# Altium PCB 2-quilter-output.pcbdoc (part 13 of 17) (continued)
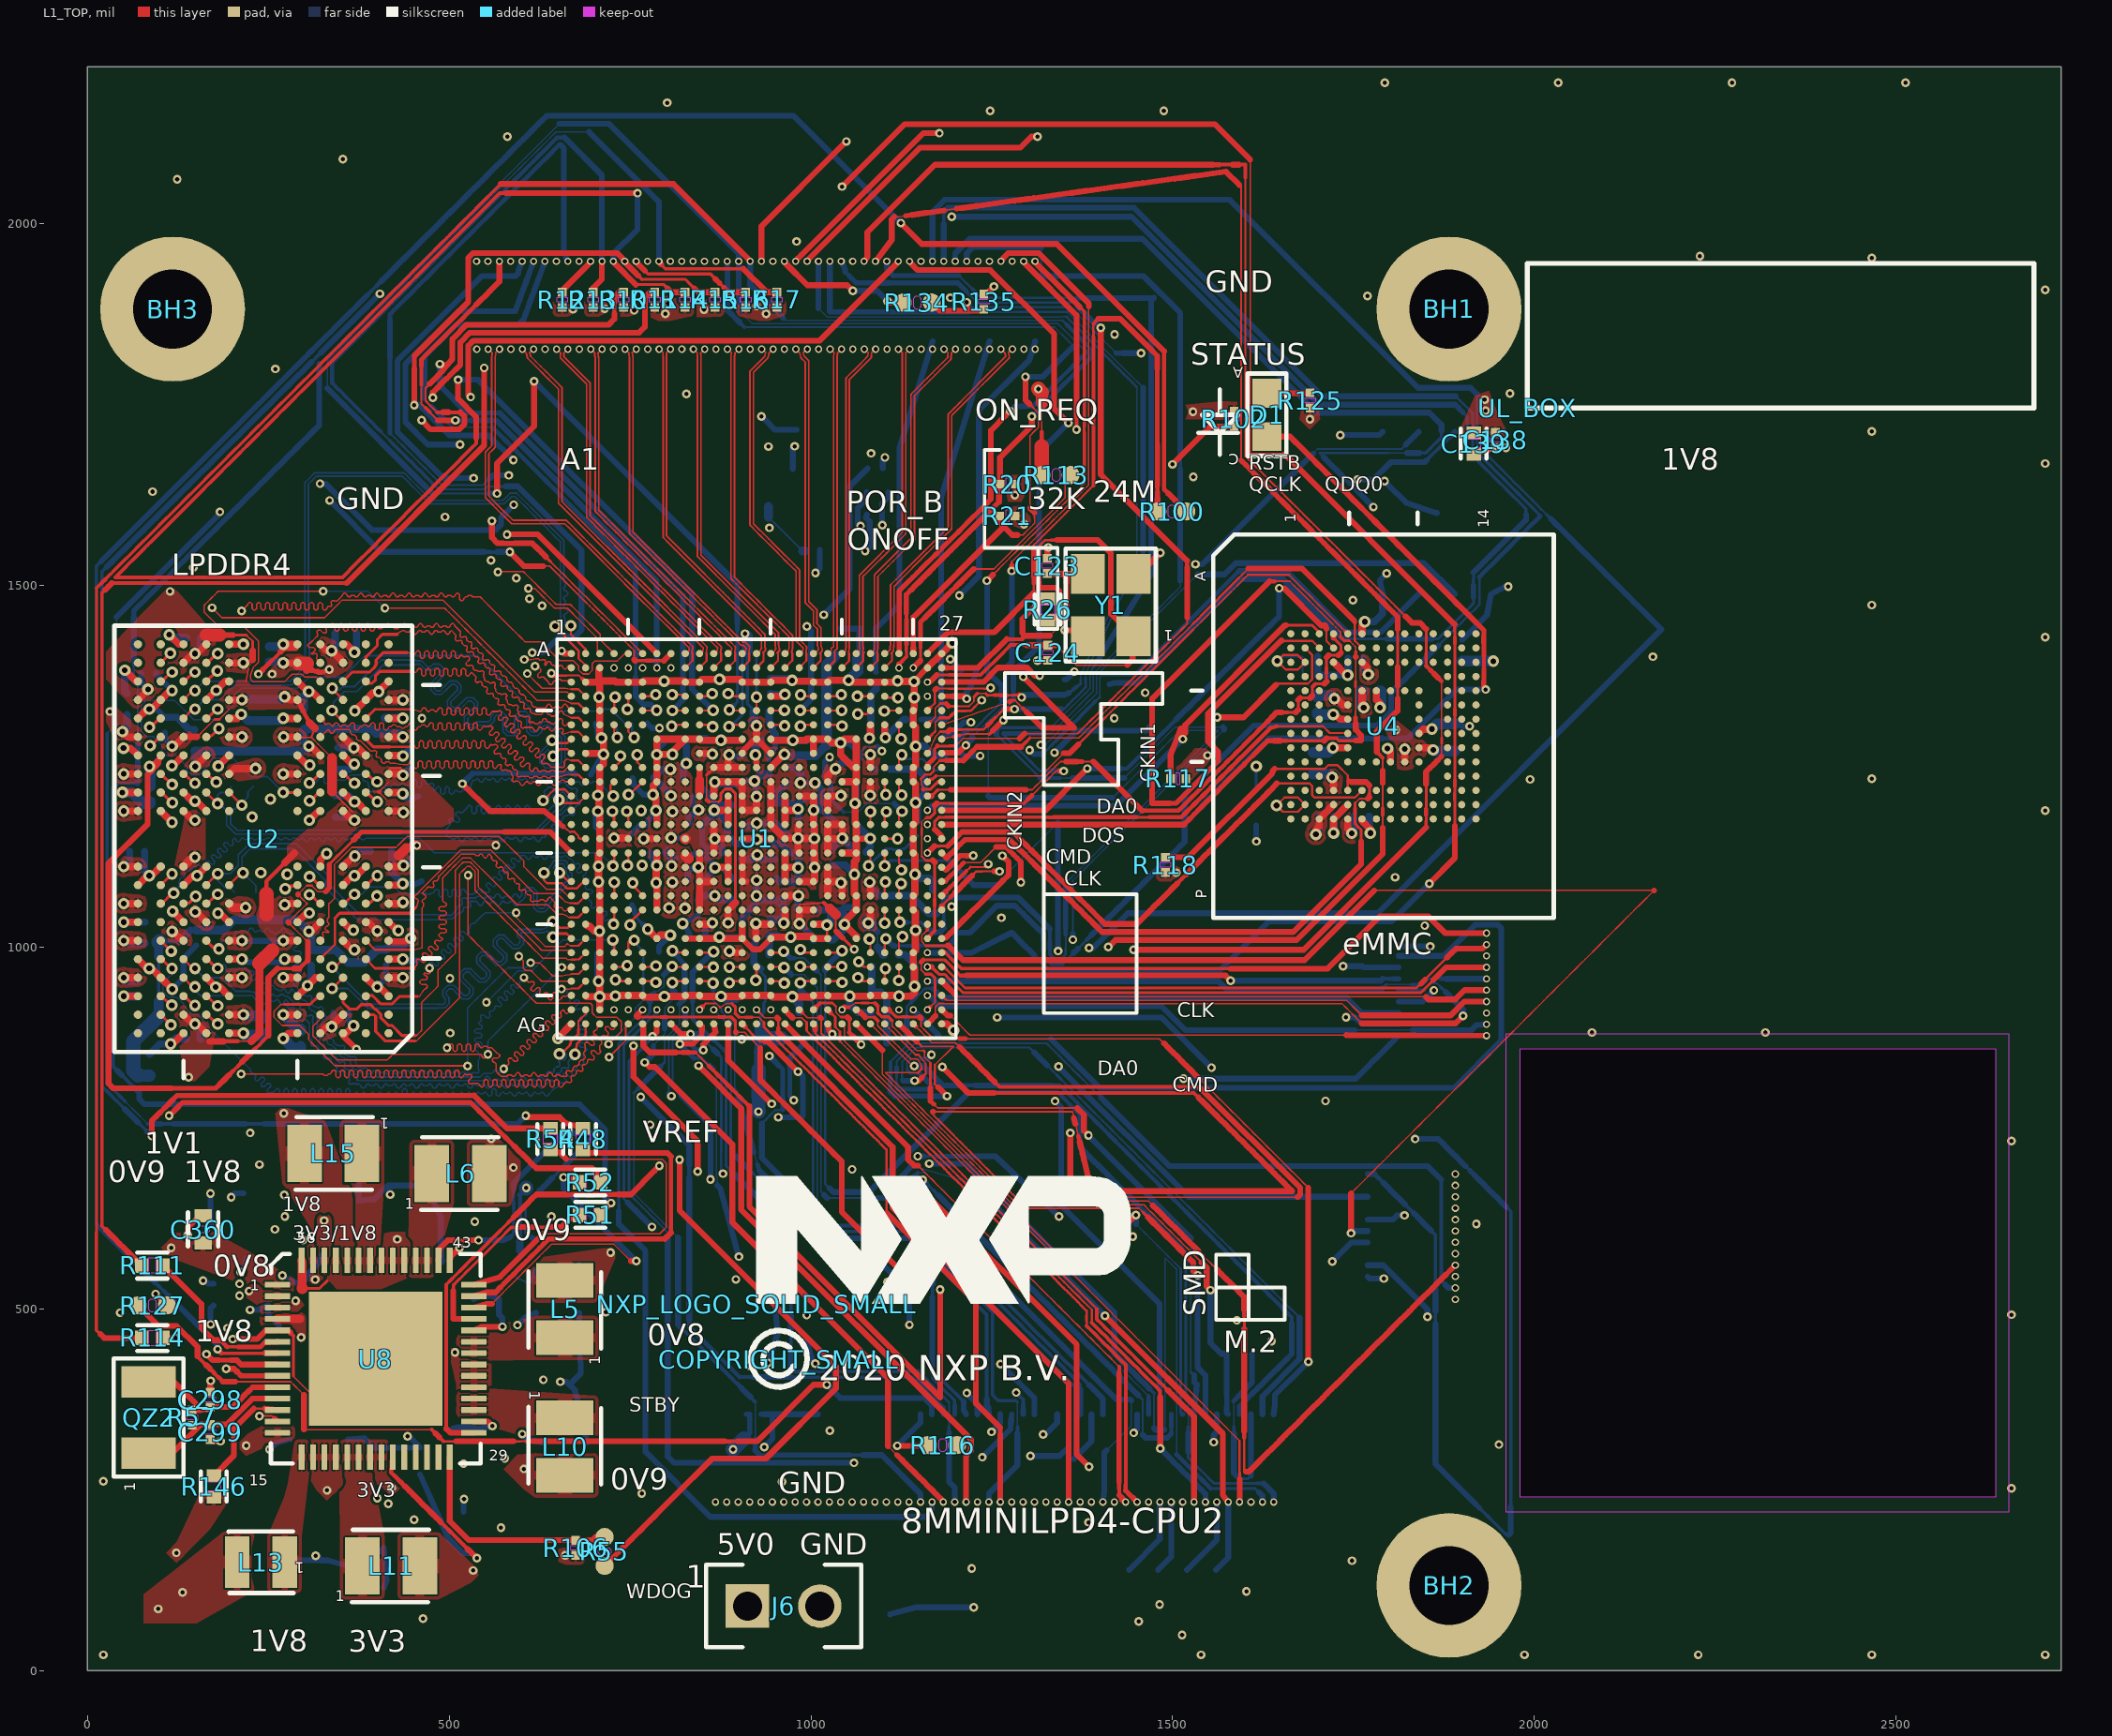
[diagram p0: L1_TOP view]
## Nets (pads, with @x,y where several pads share a name; then routed paths per layer and width w, separated by ;. In a path a pad name is that pad's centre, name@x,y a point inside that pad or via, vN(x,y) a via of type N, cw(c..) or ccw(c..) an arc to the next point about the centre after c; other vN are vias at no path point) (continued)
  L8_BOT w7.46: 1167.87,412.97 1167.87,421.59 1167.87,430.21 1167.87,438.83 1167.87,447.44 1167.87,456.06 1167.87,464.68 1167.87,473.3 1167.87,481.92 1167.87,490.53 1167.87,499.15 1167.87,507.77 1167.87,516.39
  L8_BOT w8.05: 1167.87,533.62 1168.8,534.56 v1(1168.8,550.77)
SAI5_MCLK: J5.77 U1.AD15 | length 882.2
  L1_TOP w3: U1.AD15@944.57,953.05 960.29,953.05 963.01,950.33 v2(963.23,950.33)
  L3_INNER1 w2: 974.91,961.99 982.64,961.99 990.38,961.99 996.1,956.27 1001.82,950.55 1007.54,944.83 1013.27,939.11 1018.99,933.38 1024.71,927.66 1024.71,918.89 1024.71,910.12 1024.71,901.35
  L3_INNER1 w5.71: 1041.07,775.17 1041.07,783.61 1041.07,792.06 1041.07,800.51 ; 1041.07,876.54 1041.07,884.98
  L3_INNER1 w6.29: 1024.71,901.35 1030.16,895.89 ; 1035.62,890.44 1041.07,884.98 ; 1041.07,800.51 1041.07,808.96 1041.07,817.4 1041.07,825.85 1041.07,834.3 1041.07,842.75 1041.07,851.19 1041.07,859.64 1041.07,868.09 1041.07,876.54
  L3_INNER1 w6.88: 1030.16,895.89 1035.62,890.44
  L3_INNER1 w8.05: v2(963.23,950.33) 974.91,961.99 ; 1041.07,775.17 1108.19,708.05 1130.56,685.67 v1(1137.99,678.24)
  L8_BOT w2: 1153.2,688.04 1158.32,688.04 1164.61,681.75 1170.9,675.46 1177.19,669.17 1183.48,662.88 1189.77,656.59 1196.06,650.31 1202.35,644.02 1208.63,637.73 1214.92,631.44 1221.21,625.15 1227.5,618.86 1233.79,612.57 1240.08,606.28 1246.37,599.99 1252.66,593.71 1258.95,587.42 1265.23,581.13 1271.52,574.84 1277.81,568.55 1284.1,562.26 1290.39,555.97 1296.68,549.68 1302.97,543.4 1309.26,537.11 1315.54,530.82 1321.83,524.53 1328.12,518.24 1334.41,511.95 1340.7,505.66 1346.99,499.37 1353.28,493.08 1359.57,486.8 1365.86,480.51 1372.14,474.22 1378.43,467.93 1384.72,461.64 1391.01,455.35 1397.3,449.06 1403.59,442.77 1409.88,436.49 1416.17,430.2 1422.45,423.91 1428.74,417.62 1435.03,411.33 1441.32,405.04 1447.61,398.75 1453.9,392.46 1460.19,386.17 1466.48,379.89
  L8_BOT w2.2: 1147.83,688.04 1153.2,688.04
  L8_BOT w5.71: 1466.48,371.43 1466.48,379.89
  L8_BOT w6.29: 1142.93,683.14 1147.83,688.04
  L8_BOT w6.88: J5.77@1466.49,354.53 1466.48,362.98 1466.48,371.43
  L8_BOT w8.05: v1(1137.99,678.24) 1142.93,683.14
SAI5_RXFS: J5.70 U1.AB15 | length 1087.7
  L1_TOP w3: U1.AB15@944.57,992.42 960.78,992.42 v2@962.08,993.72
  L1_TOP w3.3: v2@962.08,993.72 v2(962.49,994.13)
  L8_BOT w2: 1408.61,304.68 1411.72,307.8 1417.95,314.03 1424.18,320.26 1430.41,326.49 1436.65,332.72 1442.88,338.95
  L8_BOT w2.2: 977.9,985.06 984.24,985.06 990.58,985.06 ; 1013.91,961.73 1013.91,952.92 1013.91,944.11 1013.91,935.3 1013.91,926.49 1013.91,917.68 1013.91,908.87 1013.91,900.06 1013.91,891.25 1013.91,882.44 1013.91,873.63 1013.91,864.82 1013.91,856.01 1013.91,847.2 1013.91,838.39 1013.91,829.58 1013.91,820.78 1013.91,811.97 1013.91,803.16 1013.91,794.35 1013.91,785.54 1013.91,776.73 1013.91,767.92 1013.91,759.11 1013.91,750.3 1013.91,741.49 1013.91,732.68 1013.91,723.87 1013.91,715.06 1013.91,706.25 1013.91,697.44 1013.91,688.63 1013.91,679.82 1013.91,671.01 1013.91,662.2 1013.91,662.06 1018.24,657.72 ; 1022.58,653.39 1031.26,653.39 1039.93,653.39 1048.6,653.39 1057.27,653.39 1065.94,653.39 1074.61,653.39 1083.28,653.39 ; 1126.63,653.39 1135.3,653.39 1143.97,653.39 ; 1442.88,338.95 1442.88,347.68 1442.88,356.4 1442.88,365.13 1442.88,373.85
  L8_BOT w2.79: 990.58,985.06 996.41,979.23 1002.24,973.39 ; 1008.08,967.56 1013.91,961.73 ; 1083.28,653.39 1091.95,653.39
  L8_BOT w5.71: 971.56,985.06 977.9,985.06
  L8_BOT w8.05: v2(962.49,994.13) 971.56,985.06 ; 1002.24,973.39 1008.08,967.56 ; 1018.24,657.72 1022.58,653.39 ; 1091.95,653.39 1100.62,653.39 1109.29,653.39 1117.96,653.39 1126.63,653.39 ; 1143.97,653.39 1422.25,375.1 1441.62,375.1 1442.88,373.85 ; v3(1403.5,233.27) 1405.48,247.28 1405.48,301.57 1408.6,304.68
SD1_CLK: J8.22 U1.V26
SD1_CMD: J8.18 U1.V27 | length 1579.3
  L1_TOP w2.79: 1220.61,1110.97 1227.57,1110.97 1234.53,1110.97 v1@1241.49,1110.97
  L1_TOP w3.37: 1214.93,1105.28 1220.61,1110.97
  L1_TOP w3.96: v1@1241.49,1110.97 v1(1245.3,1114.77)
  L1_TOP w5.71: 1186.49,1076.85 1192.18,1082.53 1197.87,1088.22 1203.55,1093.91 1209.24,1099.59 1214.93,1105.28
  L1_TOP w8.05: U1.V27@1180.8,1071.16 1186.49,1076.85
  L3_INNER1 w2.2: 1254.26,1114.77 1263.22,1114.77 1272.18,1114.77 1281.14,1114.77 1290.1,1114.77 1299.06,1114.77
  L3_INNER1 w2.79: 1299.06,1114.77 1308.02,1114.77
  L3_INNER1 w6.29: v1(1245.3,1114.77) 1254.26,1114.77 ; 1496.17,1114.77 1505.13,1114.77 1514.09,1114.77
  L3_INNER1 w8.05: 1308.02,1114.77 1316.97,1114.77 1325.93,1114.77 1334.89,1114.77 1343.85,1114.77 1352.81,1114.77 1361.77,1114.77 1370.73,1114.77 1379.69,1114.77 1388.65,1114.77 1397.61,1114.77 1406.57,1114.77 1415.53,1114.77 1424.49,1114.77 1433.45,1114.77 1442.41,1114.77 1451.37,1114.77 1460.33,1114.77 1469.29,1114.77 1478.25,1114.77 1487.21,1114.77 1496.17,1114.77 ; 1514.09,1114.77 1523.05,1114.77 1532.01,1114.77 1540.97,1114.77 1549.93,1114.77 1558.88,1114.77 1567.84,1114.77 1576.8,1114.77 1585.76,1114.77 1594.72,1114.77 1603.68,1114.77 1612.64,1114.77 1621.6,1114.77 1630.56,1114.77 1639.52,1114.77 1648.48,1114.77 1657.44,1114.77 1666.4,1114.77 1675.36,1114.77 1684.32,1114.77 1693.28,1114.77 1702.24,1114.77 1711.2,1114.77 1720.16,1114.77 1729.12,1114.77 1738.08,1114.77 1747.04,1114.77 1756,1114.77 1764.96,1114.77 1773.92,1114.77 1782.88,1114.77 1791.84,1114.77 1800.79,1114.77 1809.75,1114.77 1818.71,1114.77 1827.67,1114.77 1836.63,1114.77 1845.59,1114.77 1854.55,1114.77 1954.34,1014.98 1954.34,489.3 v1(1851.94,489.28)
  L8_BOT w8.05: J8.18@1769.37,560.63 1791.04,560.63 1851.94,499.73 v1(1851.94,489.28)
SD1_DATA0: J8.8 U1.Y27
SD1_DATA1: J8.12 U1.Y26 | length 1761
  L1_TOP w2: 1153.01,1007.91 1153.01,1009.41 1153.01,1015.77 1157.05,1019.82 1161.1,1023.86 ; 1746.43,659.74 1752.78,666.09 1759.12,672.43 1765.46,678.77 1771.81,685.12 1778.15,691.46 1784.5,697.8 1790.84,704.15 1797.18,710.49 1803.53,716.84 1809.87,723.18 1816.21,729.52 1822.56,735.87 1828.9,742.21 1835.25,748.55 1841.59,754.9 1847.93,761.24 1854.28,767.59 1860.62,773.93 1866.96,780.27 1873.31,786.62 1879.65,792.96 1886,799.3 1892.34,805.65 1898.68,811.99 1905.03,818.34 1911.37,824.68 1917.71,831.02 1924.06,837.37 1930.4,843.71 1936.75,850.05 1943.09,856.4 1949.43,862.74 1955.78,869.09 1962.12,875.43 1968.47,881.77 1974.81,888.12 1981.15,894.46 1987.5,900.8 1993.84,907.15 2000.18,913.49 2006.53,919.84 2012.87,926.18 2019.22,932.52 2025.56,938.87 2031.9,945.21 2038.25,951.56 2044.59,957.9 2050.93,964.24 2057.28,970.59 2063.62,976.93 2069.97,983.27 2076.31,989.62 2082.65,995.96 2089,1002.31 2095.34,1008.65 2101.68,1014.99 2108.03,1021.34 2114.37,1027.68 2120.72,1034.02 2127.06,1040.37 2133.4,1046.71 2139.75,1053.06 2146.09,1059.4 2152.43,1065.74 2158.78,1072.09 2165.12,1078.43 2156.13,1078.44 2147.14,1078.44 2138.16,1078.44 2129.17,1078.44 2120.18,1078.44 2111.2,1078.44 2102.21,1078.44 2093.22,1078.44 2084.23,1078.44 2075.25,1078.44 2066.26,1078.44 2057.27,1078.44 2048.29,1078.44 2039.3,1078.44 2030.31,1078.44 2021.32,1078.44 2012.34,1078.44 2003.35,1078.44 1994.36,1078.44 1985.38,1078.44 1976.39,1078.44 1967.4,1078.44 1958.41,1078.44 1949.43,1078.44 1940.44,1078.44 1931.45,1078.44 1922.46,1078.44 1913.48,1078.44 1904.49,1078.44 1895.5,1078.44 1886.52,1078.44 1877.53,1078.44 1868.54,1078.44 1859.55,1078.44 1850.57,1078.44 1841.58,1078.44 1832.59,1078.44 1823.61,1078.44 1814.62,1078.44 1805.63,1078.44 1796.64,1078.44 1787.66,1078.44 1778.67,1078.44
  L1_TOP w2.2: 1153.01,1007.91 1158.75,1002.16
  L1_TOP w3.96: 1158.75,1002.16 1162.71,1002.16 1171.53,1002.16 1180.34,1002.16 1189.16,1002.16
  L1_TOP w4.54: 1161.1,1023.86 U1.Y26@1161.11,1031.79
  L1_TOP w8.05: 1189.18,1002.16 1190.37,1002.16 1210.32,982.2 1682.43,982.2 1778.67,1078.44 ; v1(1746.43,604.89) 1746.43,613.93 1746.43,659.74
  L8_BOT w8.05: v1(1746.43,604.89) 1749.39,607.85 J8.12@1769.37,607.87
SD1_DATA2: J8.14 U1.T27 | length 3145.6
  L1_TOP w6.88: 1206.39,1126.48 1214.21,1126.48
  L1_TOP w8.05: U1.T27@1180.8,1110.53 1186.63,1106.72 1206.39,1126.48 ; 1214.21,1126.48 v1(1224.58,1126.48)
  L3_INNER1 w2: 1720.64,103.88 1726.92,110.16 1733.2,116.43 1739.47,122.71 1745.75,128.99 1752.02,135.26 1758.3,141.54 1764.58,147.81 1770.85,154.09 1777.13,160.37 1783.4,166.64 1789.68,172.92 1795.96,179.19 1802.23,185.47 1808.51,191.75 1814.78,198.02 1821.06,204.3 1827.34,210.57 1833.61,216.85 1839.89,223.13 1846.17,229.4 1852.44,235.68 1858.72,241.95 1864.99,248.23 1871.27,254.51 1877.55,260.78 1883.82,267.06 1890.1,273.34 1896.37,279.61 1902.65,285.89 1908.93,292.16 1915.2,298.44 1921.48,304.72 1927.75,310.99 1934.03,317.27 1940.31,323.54 1946.58,329.82 1952.86,336.1 1959.13,342.37 1965.41,348.65
  L3_INNER1 w6.29: v1(1224.58,1126.48) 1230.23,1132.13 1235.89,1137.79 1241.54,1143.44 1247.2,1149.1 1256.05,1149.1 1264.91,1149.1 1273.76,1149.1 1282.61,1149.1 1291.47,1149.1 1300.32,1149.1 1309.18,1149.1 1318.03,1149.1 1326.89,1149.1 1335.74,1149.1 1344.59,1149.1 1353.45,1149.1 1362.3,1149.1 1371.16,1149.1 1380.01,1149.1 1388.87,1149.1 1397.72,1149.1 1406.57,1149.1 1415.43,1149.1 1424.28,1149.1 1433.14,1149.1 1441.99,1149.1 1450.85,1149.1 1459.7,1149.1 1468.55,1149.1 1477.41,1149.1 1486.26,1149.1 1495.12,1149.1 1501.4,1155.38 ; 1601.98,1255.96 1608.26,1262.24 1614.55,1268.53
  L3_INNER1 w6.88: 1595.69,1249.67 1601.98,1255.96
  L3_INNER1 w8.05: 1501.4,1155.38 1507.69,1161.67 1513.97,1167.96 1520.26,1174.24 1526.55,1180.53 1532.83,1186.81 1539.12,1193.1 1545.4,1199.39 1551.69,1205.67 1557.97,1211.96 1564.26,1218.24 1570.55,1224.53 1576.83,1230.81 1583.12,1237.1 1589.4,1243.39 1595.69,1249.67 ; 1614.55,1268.53 1620.83,1274.81 1627.12,1281.1 1633.4,1287.39 1639.69,1293.67 1645.98,1299.96 1652.26,1306.24 1658.55,1312.53 1664.83,1318.81 1671.12,1325.1 1677.4,1331.39 1683.69,1337.67 1689.98,1343.96 1696.27,1350.25 1696.27,1545.02 1772.08,1620.84 1782.49,1620.84 1965.41,1437.93 1965.41,963.68 1965.41,348.65 ; 1720.63,103.89 v1@1720.63,565.75
  L8_BOT w8.05: v1(1720.62,565.76) 1727.21,572.36 1747,592.15 J8.14@1769.37,592.13
SD1_DATA3: J8.16 U1.T26
SD1_STROBE: J4.70 U1.R24 | length 2510.2
  L1_TOP w2: 1871.6,1263.87 1871.6,1272.5 1871.6,1281.13 ; 1871.6,1289.76 1871.6,1298.39 1871.6,1307.03 1871.6,1315.66 1871.6,1324.29 1871.6,1332.92 1871.6,1341.56 ; 1871.6,1350.19 1871.6,1358.82
  L1_TOP w2.2: 1871.6,1341.56 1871.6,1350.19 ; 1871.6,1358.82 1871.6,1367.45
  L1_TOP w2.79: 1600.53,2063.49 1600.53,2054.54 1600.53,2045.59 1600.53,2036.63 1600.53,2027.68 1600.53,2018.72 1600.53,2009.77 1600.53,2000.82 1600.53,1991.86 1600.53,1982.91 1600.53,1973.95 1600.53,1965 1600.53,1956.05 1600.53,1947.09 1600.53,1938.14 1600.53,1929.18 1600.53,1920.23 1600.53,1911.28 1600.53,1902.32 1600.53,1893.37 1600.53,1884.42 1600.53,1875.46 1600.53,1866.51 1600.53,1857.55 1600.53,1848.6 1600.53,1839.65 1600.53,1830.69 1600.53,1821.74 1600.53,1812.78 1600.53,1803.83 1600.53,1794.88 1600.53,1785.92 1600.53,1776.97 1600.53,1768.01 1600.53,1759.06 1600.53,1750.11 1600.53,1741.15 1600.53,1732.2 1600.53,1723.24 1600.53,1714.29 1600.53,1705.34 1600.53,1696.38 1600.53,1687.43 1600.53,1678.47 1606.85,1672.16 1613.17,1665.84 1619.48,1659.53 1625.8,1653.21 1632.11,1646.9 1638.43,1640.58 1644.74,1634.26 1651.06,1627.95 1657.38,1621.63 1663.69,1615.32 1670.01,1609 1676.32,1602.68 1682.64,1596.37 1688.96,1590.05 1695.27,1583.74 1701.59,1577.42 1707.9,1571.11 1714.22,1564.79 1720.53,1558.47 1726.85,1552.16 1733.17,1545.84 1739.48,1539.53 1745.8,1533.21 1752.11,1526.9 1758.43,1520.58 1764.74,1514.26 1771.06,1507.95 1777.38,1501.63 1783.69,1495.32 1790.01,1489 1796.32,1482.68 1802.64,1476.37 1808.96,1470.05 1815.27,1463.74 1821.59,1457.42
  L1_TOP w3: U1.R24@1121.74,1130.22 1121.74,1115.99 v2@1125.18,1112.55
  L1_TOP w3.96: 1850.15,1174.11 1850.15,1182.64 ; 1850.15,1191.18 1850.15,1199.72 1850.15,1208.26 1850.15,1216.8 1850.15,1225.33 ; 1850.24,1388.81 1850.24,1397.3 ; 1850.24,1405.79 1850.24,1414.28 1850.24,1422.77 1850.24,1431.26 1850.24,1439.75 ; 1871.6,1281.13 1871.6,1289.76
  L1_TOP w4.54: 1850.15,1165.57 1850.15,1174.11 ; 1850.24,1397.3 1850.24,1405.79
  L1_TOP w5.13: 1564.79,2081.4 1573.72,2081.4 1582.66,2081.4 ; 1591.6,2081.4 1600.53,2081.4 1600.53,2072.45 1600.53,2063.49
  L1_TOP w5.71: 1850.24,1388.81 1855.58,1383.47 ; 1866.26,1372.79 1871.6,1367.45
  L1_TOP w6.29: 1850.15,1182.64 1850.15,1191.18 ; 1855.58,1383.47 1860.92,1378.13
  L1_TOP w6.88: 1555.85,2081.4 1564.79,2081.4 ; 1866.24,1258.5 1871.6,1263.87
  L1_TOP w8.05: v3(1073.5,1947.75) 1078.17,1953.96 1078.17,1988.03 ; 1078.18,1988.03 1171.55,2081.41 1180.49,2081.4 1189.43,2081.4 1198.37,2081.4 1207.31,2081.4 1216.24,2081.4 1225.18,2081.4 1234.12,2081.4 1243.05,2081.4 1251.99,2081.4 1260.93,2081.4 1269.87,2081.4 1278.8,2081.4 1287.74,2081.4 1296.68,2081.4 1305.61,2081.4 1314.55,2081.4 1323.49,2081.4 1332.42,2081.4 1341.36,2081.4 1350.3,2081.4 1359.24,2081.4 1368.17,2081.4 1377.11,2081.4 1386.05,2081.4 1394.98,2081.4 1403.92,2081.4 1412.86,2081.4 1421.79,2081.4 1430.73,2081.4 1439.67,2081.4 1448.61,2081.4 1457.54,2081.4 1466.48,2081.4 1475.42,2081.4 1484.35,2081.4 1493.29,2081.4 1502.23,2081.4 1511.16,2081.4 1520.1,2081.4 1529.04,2081.4 1537.98,2081.4 1546.91,2081.4 1555.85,2081.4 ; v1(1445.84,996.55) 1681.12,996.55 ; 1582.66,2081.4 1591.6,2081.4 ; 1681.13,996.55 1850.15,1165.57 ; 1821.59,1457.42 1827.9,1451.11 1830.74,1448.26 1841.73,1448.26 1850.24,1439.75 ; 1850.15,1225.33 1850.15,1233.87 1850.15,1242.41 1855.51,1247.77 1860.87,1253.14 1866.24,1258.5 ; 1860.92,1378.13 1866.26,1372.79
  L3_INNER1 w2: 1147.17,1112.67 1151.97,1109.38 1156.78,1106.09 1162.43,1100.43 1168.09,1094.78 1173.74,1089.13 1179.39,1083.47 1185.05,1077.82 1190.7,1072.16 1196.36,1066.51
  L3_INNER1 w2.79: 1135.21,1112.67 1141.19,1112.67 1147.17,1112.67
  L3_INNER1 w3.96: 1196.37,1066.5 1197.45,1066.5
  L3_INNER1 w4.54: 1197.45,1066.5 1206.01,1066.5 1214.57,1066.5 1223.14,1066.5 1231.7,1066.5 1240.26,1066.5 1248.82,1066.5 1257.38,1066.5 1265.94,1066.5 1274.5,1066.5 1283.06,1066.5 1291.63,1066.5 1300.19,1066.5 1308.75,1066.5 1317.31,1066.5 1325.87,1066.5 1334.43,1066.5 1342.99,1066.5 1351.55,1066.5 1360.12,1066.5 1366.47,1060.14 ; 1410.99,1015.63 1417.35,1009.27 1423.7,1002.91
  L3_INNER1 w8.05: v2@1125.18,1106.95 1129.48,1106.95 1135.21,1112.67 ; 1366.47,1060.14 1372.83,1053.78 1379.19,1047.42 1385.55,1041.06 1391.91,1034.7 1398.27,1028.35 1404.63,1021.99 1410.99,1015.63 ; 1423.7,1002.91 1430.06,996.55 v1(1445.84,996.55)
  other v2: 1125.18,1106.95
SD2_CLK: J4.76 U1.W23 | length 1721.8
  L1_TOP w3: v2@1102.05,1033.32 U1.W23@1102.05,1051.48
  L1_TOP w8.05: v1(529.84,1760.3) 526.71,1763.43 526.71,1831.35 533.5,1838.14 1012.11,1838.14 1117.7,1943.72 v3(1120.74,1947.75)
  L3_INNER1 w2: 536.68,1753.46 543,1747.14 549.32,1740.82 555.63,1734.51 561.95,1728.19 568.27,1721.87 574.59,1715.56 580.9,1709.24 587.22,1702.92 593.54,1696.61 599.85,1690.29 606.17,1683.97 612.49,1677.65 618.8,1671.34 625.12,1665.02 631.44,1658.7 637.75,1652.39 644.07,1646.07 650.39,1639.75 656.71,1633.44 663.02,1627.12 669.34,1620.8 675.66,1614.48 681.97,1608.17 688.29,1601.85 694.61,1595.53 700.92,1589.22 707.24,1582.9 713.56,1576.58 719.88,1570.27 726.19,1563.95 732.51,1557.63 738.83,1551.32 745.14,1545 751.46,1538.68 757.78,1532.36 764.09,1526.05 770.41,1519.73 776.73,1513.41 783.04,1507.1 789.36,1500.78 795.68,1494.46 802,1488.15 808.31,1481.83 814.63,1475.51 820.95,1469.2 827.26,1462.88 833.58,1456.56 839.9,1450.24 846.21,1443.93 852.53,1437.61 858.85,1431.29 865.16,1424.98 871.48,1418.66 877.8,1412.34 884.12,1406.03 890.43,1399.71 896.75,1393.39 903.07,1387.08 909.38,1380.76 915.7,1374.44 922.02,1368.12 928.33,1361.81 934.65,1355.49 940.97,1349.17 947.28,1342.86 947.28,1334 947.28,1325.15 947.28,1316.3 947.28,1307.45 947.28,1298.59 947.28,1289.74 947.28,1280.89 947.28,1272.04 947.28,1263.18 947.28,1254.33 947.28,1245.48 947.28,1236.63 947.28,1227.77 947.28,1218.92 947.28,1210.07 953.19,1204.16 959.1,1198.26 ; 965,1192.35 970.91,1186.44 976.81,1180.54 982.72,1174.63
  L3_INNER1 w2.2: 959.1,1198.26 965,1192.35
  L3_INNER1 w3.96: 982.72,1174.63 988.63,1168.73 994.53,1162.82 1002.92,1162.82 1011.31,1162.82
  L3_INNER1 w5.71: 1011.31,1162.82 1016.54,1157.58 1021.78,1152.34
  L3_INNER1 w8.05: v1(529.84,1760.3) 536.68,1753.46 ; 1021.78,1152.34 1026.86,1147.27 1026.86,1083.23 1061.96,1048.14 1087.26,1048.14 v2(1102.06,1033.31)
SD2_CMD: J4.78 R120.2 U1.W24 | length 2038.6
  L1_TOP w3: U1.W24@1121.74,1051.48 1121.74,1035.81 v2(1123.03,1034.52)
  L1_TOP w8.05: v3(1136.49,1947.75) 1139.53,1943.72 1147.41,1935.83 1247.9,1935.83 1336.28,1847.46 1336.28,1744.24 1348.91,1731.61 v1(1355.97,1724.55)
  L8_BOT w2: 1138.07,1034.53 1145.09,1034.53 1152.1,1034.53 ; 1245.25,1209.18 1245.25,1218.02 1245.25,1226.85 1245.25,1235.68 1245.25,1244.51 1245.25,1253.35 1245.25,1262.18 1245.25,1271.01 1245.25,1279.84 1245.25,1288.67 1245.25,1297.51 1245.25,1306.34 1250.99,1312.08 1256.73,1317.82 1262.47,1323.56 1268.21,1329.3 1273.94,1335.03 1279.68,1340.77 ; 1352.14,1088.62 1358.35,1094.82 1364.56,1101.03 1370.77,1107.24 1376.97,1113.45 1383.18,1119.65 1389.39,1125.86 1395.6,1132.07 1401.8,1138.28 1408.01,1144.49 1414.22,1150.69 1420.43,1156.9 1426.63,1163.11 1432.84,1169.32 1439.05,1175.52 1445.26,1181.73 1451.47,1187.94 1457.67,1194.15 1463.88,1200.35 1470.09,1206.56 1476.3,1212.77 1482.5,1218.98 1488.71,1225.18 1494.92,1231.39 1501.13,1237.6 1507.33,1243.81 1513.54,1250.02 1519.75,1256.22 1525.96,1262.43 1532.16,1268.64 1538.37,1274.85 1544.58,1281.05 1550.79,1287.26 1557,1293.47 1563.2,1299.68 1554.36,1299.69 1545.52,1299.69 1536.68,1299.69 1527.84,1299.69 1519,1299.69 1510.16,1299.69 1503.95,1293.48 1497.74,1287.27 1491.54,1281.06 1485.33,1274.85 1479.12,1268.64 1472.91,1262.43 1466.7,1256.22 1460.49,1250.02 1454.28,1243.81 1448.07,1237.6 1441.86,1231.39 1435.66,1225.18 1429.45,1218.97 1423.24,1212.76 1417.03,1206.55
  L8_BOT w2.79: 1352.14,999.13 1352.14,1008.08 1352.14,1017.02
  L8_BOT w3.37: 1336.11,984.54 1341.31,984.54 1346.51,984.54 1347.55,985.59 1352.14,990.18 1352.14,999.13
  L8_BOT w3.96: 1131.06,1034.53 1138.07,1034.53
  L8_BOT w4.54: 1183.64,1038.39 1183.64,1046.61 1183.64,1054.84 1183.64,1063.07 ; 1330.4,990.25 1335.03,985.62 1336.11,984.54
  L8_BOT w5.13: 1152.1,1034.53 1156.28,1030.34 1160.47,1026.16 ; 1330.4,990.25 1330.4,998.88 ; 1330.4,1007.5 1330.4,1016.12 1330.4,1024.75
  L8_BOT w5.71: 1160.47,1026.16 R120.2@1165.97,1023.33 ; 1352.14,1017.02 1352.14,1025.97
  L8_BOT w6.29: 1183.64,1030.16 1183.64,1038.39 ; 1279.68,1340.77 1279.68,1348.74 ; 1330.4,998.88 1330.4,1007.5
  L8_BOT w6.88: 1279.68,1348.74 1279.68,1356.71 ; 1352.14,1025.97 1352.14,1034.92 1352.14,1043.87 1352.14,1052.82 1352.14,1061.77 1352.14,1070.72 1352.14,1079.67 1352.14,1088.62
  L8_BOT w7.46: 1183.64,1026.24 1183.64,1030.16
  L8_BOT w8.05: v2(1123.03,1034.52) 1131.06,1034.53 ; R120.2@1165.97,1023.33 R120.2@1171.49,1020.49 1178.75,1021.35 1183.64,1026.24 ; 1183.64,1063.07 1189.24,1068.68 1286.47,1068.68 1330.4,1024.75 ; 1245.25,1209.18 1247.88,1206.55 1417.03,1206.55 ; 1279.68,1356.71 1279.68,1364.68 1279.68,1372.64 1279.68,1380.61 1315.38,1416.31 1315.38,1683.97 1347.62,1716.2 v1(1355.97,1724.55)
SD2_DATA0: J4.84 R119.2 U1.AB23 | length 2439.9
  L1_TOP w3: U1.AB23@1102.05,992.42 1102.05,1010.06 v2(1103.65,1011.66)
  L8_BOT w3.37: 1347.7,976.69 1350.3,979.3 1356.46,985.45 1362.61,991.61 ; 1374.92,1003.91 1381.07,1010.07 ; 1867.69,1417.44 1873.65,1423.4 1879.92,1429.67 1886.18,1435.93 1892.45,1442.2 1898.71,1448.46 1904.97,1454.73 1911.24,1460.99 1917.5,1467.26 1923.77,1473.52 1923.77,1481.14 1923.77,1488.76 1923.77,1496.37 1923.77,1503.99 1923.77,1511.61 ; 1891.25,1761.28 1897.28,1755.24 1902.94,1749.59 1908.6,1743.93
  L8_BOT w3.96: 1116.35,1002.03 1124.57,1002.03 1132.8,1002.03 ; 1157.48,1002.03 1165.71,1002.03 ; 1368.76,997.76 1374.92,1003.91 ; 1908.6,1743.93 1914.25,1738.27 1914.25,1730.27 1914.25,1722.26 1914.25,1714.26 1914.25,1706.25 1914.25,1698.25 1914.25,1690.24
  L8_BOT w4.54: 1149.25,1002.03 1157.48,1002.03 ; 1183.74,1999.8 1183.74,2008.03 1183.74,2016.25 ; 1914.25,1690.24 1920.51,1683.99 1926.76,1677.73 1933.01,1671.48 1939.26,1665.23 1945.52,1658.98 1951.77,1652.72 1958.02,1646.47 1964.27,1640.22 1970.53,1633.97 1976.78,1627.71 1983.03,1621.46 1989.28,1615.21 1995.54,1608.96 2001.79,1602.7 2008.04,1596.45
  L8_BOT w5.13: 1132.8,1002.03 1141.03,1002.03 ; 1165.71,1002.03 1173.93,1002.03 1182.16,1002.03 1190.39,1002.03 ; 1321.08,995.64 1321.08,988.05 1326.05,983.08 1331.02,978.11 1332.44,976.69 1340.07,976.69 1347.7,976.69 ; 2008.05,1595.89 2008.05,1596.45
  L8_BOT w5.71: 1381.07,1010.07 1387.23,1016.22
  L8_BOT w6.29: 1190.39,1002.03 1194.94,1006.58 ; 1321.08,995.64 1321.08,1003.23 1321.08,1010.82 ; 1923.77,1511.61 1929.79,1517.63 1935.81,1523.65 1941.83,1529.67 1947.85,1535.69 1953.87,1541.71 1959.89,1547.73 1965.91,1553.75 1971.93,1559.77 1977.95,1565.79 1983.97,1571.81 1989.99,1577.83 1996.01,1583.85 2002.03,1589.87 2008.05,1595.89
  L8_BOT w6.88: 1321.08,1010.82 1321.08,1018.41
  L8_BOT w7.46: v2@1108.48,1006.85 1113.3,1002.03 1116.35,1002.03 ; 1282.09,1057.4 1287.66,1051.83 1293.23,1046.26 ; 1315.51,1023.98 1321.08,1018.41 ; 1861.73,1411.48 1867.69,1417.44
  L8_BOT w8.05: v2@1103.66,1011.67 v2@1108.48,1006.85 ; 1141.03,1002.03 1149.25,1002.03 ; v3(1183.73,1947.75) 1183.74,1950.46 1183.74,1958.68 1183.74,1966.91 1183.74,1975.13 1183.74,1983.35 1183.74,1991.58 1183.74,1999.8 ; 1183.74,2016.25 1189.46,2021.98 1446.52,2021.98 1707.21,1761.28 1891.25,1761.28 ; 1194.94,1006.58 1199.49,1011.12 R119.2@1199.49,1020.09 1219.61,1020.1 1256.91,1057.4 1282.09,1057.4 ; 1293.23,1046.26 1298.8,1040.69 1304.37,1035.12 1309.94,1029.55 1315.51,1023.98 ; 1362.61,991.61 1368.76,997.76 ; 1387.23,1016.22 1393.38,1022.38 1399.54,1028.53 1405.69,1034.69 1411.85,1040.84 1418,1047 1424.15,1053.15 1430.31,1059.31 1436.46,1065.46 1442.62,1071.61 1448.77,1077.77 1454.93,1083.92 1461.08,1090.08 1467.24,1096.23 1473.39,1102.39 1479.55,1108.54 1485.7,1114.7 1491.85,1120.85 1498.01,1127 1504.16,1133.16 1510.32,1139.31 1516.47,1145.47 1516.47,1210.71 1611.98,1306.23 1782.2,1306.23 1801.92,1325.95 1801.92,1351.67 1808.09,1357.84 1814.05,1363.8 1820.01,1369.76 1825.97,1375.72 1831.93,1381.68 1837.89,1387.64 1843.85,1393.6 1849.81,1399.56 1855.77,1405.52 1861.73,1411.48
SD2_DATA1: J4.82 U1.AB24 | length 2641.1
  L1_TOP w3: U1.AB24@1121.74,992.42 1121.74,1009.72 v2(1126.66,1014.64)
  L3_INNER1 w2.2: 1180.44,1004.41 1189.14,1004.41 1197.85,1004.41 1206.56,1004.41 1215.27,1004.41 1223.98,1004.41 1232.69,1004.41 1241.4,1004.41 1250.11,1004.41 1258.82,1004.41 1267.53,1004.41 1276.24,1004.41 1284.95,1004.41 1293.65,1004.41 1302.36,1004.41 1311.07,1004.41 1319.78,1004.41 1328.49,1004.41 1337.2,1004.41 1345.91,1004.41
  L3_INNER1 w2.79: 1345.91,1004.41 1351.4,998.92
  L3_INNER1 w3.37: 1171.73,1004.41 1180.44,1004.41
  L3_INNER1 w3.96: 1351.4,998.92 1356.9,993.42
  L3_INNER1 w8.05: v2(1126.66,1014.64) 1136.89,1004.41 1145.6,1004.41 1154.31,1004.41 1163.02,1004.41 1171.73,1004.41 ; 1356.9,993.42 1362.39,987.93 1373.39,987.93 v1(1384.58,999.11)
  L8_BOT w2.79: 1920.94,1693.69 1927.3,1687.33 ; 2010.03,1604.61 2016.39,1598.24
  L8_BOT w3.37: 1920.94,1693.69 1920.94,1702.47 1920.94,1711.25 1920.94,1720.02 1920.94,1728.8 1920.94,1737.58 1920.94,1746.35 1920.94,1755.13 1920.94,1763.91 ; 1927.3,1687.33 1933.67,1680.97 1940.03,1674.6 1946.39,1668.24 1952.76,1661.88 1959.12,1655.51 1965.48,1649.15 1971.85,1642.79 1978.21,1636.42 1984.58,1630.06 1990.94,1623.7 1997.3,1617.33 2003.67,1610.97 2010.03,1604.61
  L8_BOT w4.54: 2016.39,1598.24 2022.76,1591.88
  L8_BOT w8.05: v3(1167.98,1947.75) 1167.97,2016.14 1184.88,2033.04 1578.89,2033.04 1838.95,1772.98 1911.86,1772.98 1920.94,1763.91 ; v1(1384.58,999.11) 1390.21,999.11 1437.99,1046.89 1783.22,1046.89 2175.48,1439.15 2169.12,1445.52 2162.75,1451.88 2156.39,1458.25 2150.02,1464.61 2143.66,1470.97 2137.3,1477.34 2130.93,1483.7 2124.57,1490.06 2118.21,1496.43 2111.84,1502.79 2105.48,1509.15 2099.12,1515.52 2092.75,1521.88 2086.39,1528.24 2080.03,1534.61 2073.66,1540.97 2067.3,1547.34 2060.94,1553.7 2054.57,1560.06 2048.21,1566.43 2041.85,1572.79 2035.48,1579.15 2029.12,1585.52 2022.76,1591.88
SD2_DATA2: J4.72 U1.V24 | length 2366.3
  L1_TOP w2: 1115.46,2009.67 1122.06,2009.67 1130.92,2010.88
  L1_TOP w2.79: 1184.03,2018.19 1192.89,2019.41 1201.74,2020.63 ; 1592.1,2053.26 1594.73,2053.26 1594.73,2044.41 1594.73,2035.56 1594.73,2026.71 1594.73,2017.86 1594.73,2009.01 1594.73,2000.16 1594.73,1991.32 1594.73,1982.47 1594.73,1973.62 1594.73,1964.77 1594.73,1955.92 1594.73,1947.07 1594.73,1938.22 1594.73,1929.37 1594.73,1920.53 1594.73,1911.68 1594.73,1902.83 1594.73,1893.98 1594.73,1885.13 1594.73,1876.28 1594.73,1867.43 1594.73,1858.59 1594.73,1849.74 1594.73,1840.89 1594.73,1832.04 1594.73,1823.19 1594.73,1814.34 1594.73,1805.49 1594.73,1796.64 1594.73,1787.8 1594.73,1778.95 1594.73,1770.1 1594.73,1761.25 1594.73,1752.4 1594.73,1743.55 1594.73,1734.7 1594.73,1725.86 1594.73,1717.01 1594.73,1708.16 1594.73,1699.31 1594.73,1690.46 1594.73,1681.61 1594.73,1672.76 ; 1790.31,1165.22 1790.31,1173.99 1790.31,1182.75 ; 1790.31,1191.52 1790.31,1200.29 1790.31,1209.05 1790.31,1217.82 1790.31,1226.58 ; 1790.31,1244.12 1790.31,1252.88 1790.31,1261.65
  L1_TOP w3: U1.V24@1121.74,1071.16 1121.74,1086.83 v2@1124.69,1089.78
  L1_TOP w3.96: 1810.84,1344.13 1810.84,1352.79 1810.84,1361.44 ; 1810.84,1387.41 1810.84,1396.06 1810.84,1404.72 1810.84,1413.38 1810.84,1422.03 1810.84,1430.69 1810.84,1439.34
  L1_TOP w5.13: 1786.25,1265.71 1790.31,1261.65 ; 1790.31,1182.75 1790.31,1191.52
  L1_TOP w5.71: 1782.18,1269.78 1786.25,1265.71
  L1_TOP w6.88: 1130.92,2010.88 1139.77,2012.1
  L1_TOP w7.46: 1594.73,1672.76 1601.08,1666.41 1607.44,1660.05 1613.79,1653.7 1620.15,1647.34 1626.51,1640.98 1632.86,1634.63 1639.22,1628.27 1645.58,1621.91 1651.93,1615.56 1658.29,1609.2 1664.64,1602.85 1671,1596.49 1677.36,1590.13 1683.71,1583.78 1690.07,1577.42 1696.42,1571.07 1702.78,1564.71 1709.14,1558.35 1715.49,1552 1721.85,1545.64 1728.21,1539.28 1734.56,1532.93 1740.92,1526.57 1747.27,1520.22 1753.63,1513.86 1759.99,1507.5 1766.34,1501.15 1772.7,1494.79 1779.06,1488.43 1785.41,1482.08 1791.77,1475.72 1798.12,1469.37 1804.48,1463.01 1810.84,1456.65 1810.84,1448 1810.84,1439.34 ; 1810.84,1378.75 1810.84,1387.41
  L1_TOP w8.05: v3(1089.24,1947.75) 1111.75,1977.54 1111.75,2005.96 1115.46,2009.67 ; 1139.77,2012.1 1148.62,2013.32 1157.48,2014.54 1166.33,2015.76 1175.18,2016.97 1184.03,2018.19 ; 1201.74,2020.63 1210.59,2021.85 1219.44,2023.06 1228.3,2024.28 1237.15,2025.5 1246,2026.72 1254.85,2027.94 1263.71,2029.16 1272.56,2030.37 1281.41,2031.59 1290.27,2032.81 1299.12,2034.03 1307.97,2035.25 1316.82,2036.46 1325.68,2037.68 1334.53,2038.9 1343.38,2040.12 1352.23,2041.34 1361.09,2042.55 1369.94,2043.77 1378.79,2044.99 1387.64,2046.21 1396.5,2047.43 1405.35,2048.65 1414.2,2049.86 1423.06,2051.08 1431.91,2052.3 1440.76,2053.52 1449.61,2054.74 1458.47,2055.95 1467.32,2057.17 1476.17,2058.39 1485.02,2059.61 1493.88,2060.83 1502.73,2062.04 1511.58,2063.26 1520.43,2064.48 1529.29,2065.7 1538.14,2066.92 1546.99,2068.14 1555.85,2069.35 1564.7,2070.57 1573.55,2071.79 1592.1,2053.26 ; v1(1411.03,1000.28) 1417.14,1006.39 1420.75,1009.99 1671.11,1009.99 1790.31,1129.2 1790.31,1130.16 1790.31,1138.92 1790.31,1147.69 1790.31,1156.46 1790.31,1165.22 ; 1782.18,1269.78 1782.18,1298.16 1810.84,1326.82 1810.84,1335.47 1810.84,1344.13 ; 1790.31,1226.58 1790.31,1235.35 1790.31,1244.12 ; 1810.84,1361.44 1810.84,1370.1 1810.84,1378.75
  L3_INNER1 w8.05: v2(1124.64,1087.96) 1132.68,1087.95 1192.43,1028.2 1373.25,1028.2 1395.73,1005.73 1405.59,1005.73 ; 1405.59,1005.72 v1(1411.03,1000.28)